# Altium PCB electromagnetic.PcbDoc
Units mm, origin at the board's own origin, x right, y up, seen from the top; angles counter-clockwise.
Board outline 29.72 x 22.23 mm, 2 copper layers (Top Layer, Bottom Layer); 26 components, 15 nets, 60 pads, 62 vias.
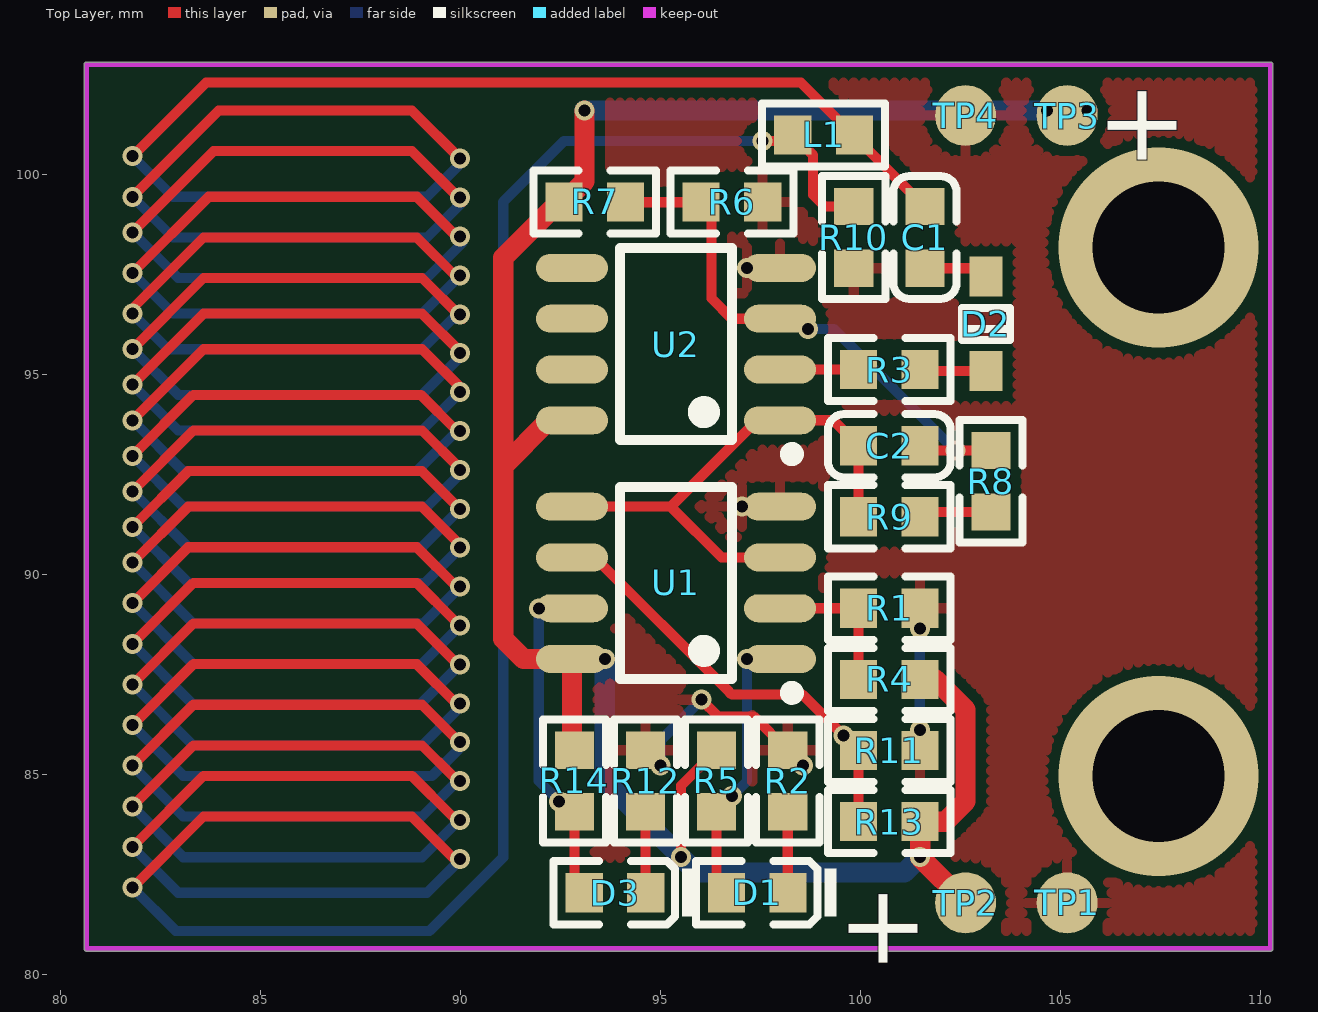
[diagram p0: Top Layer view]
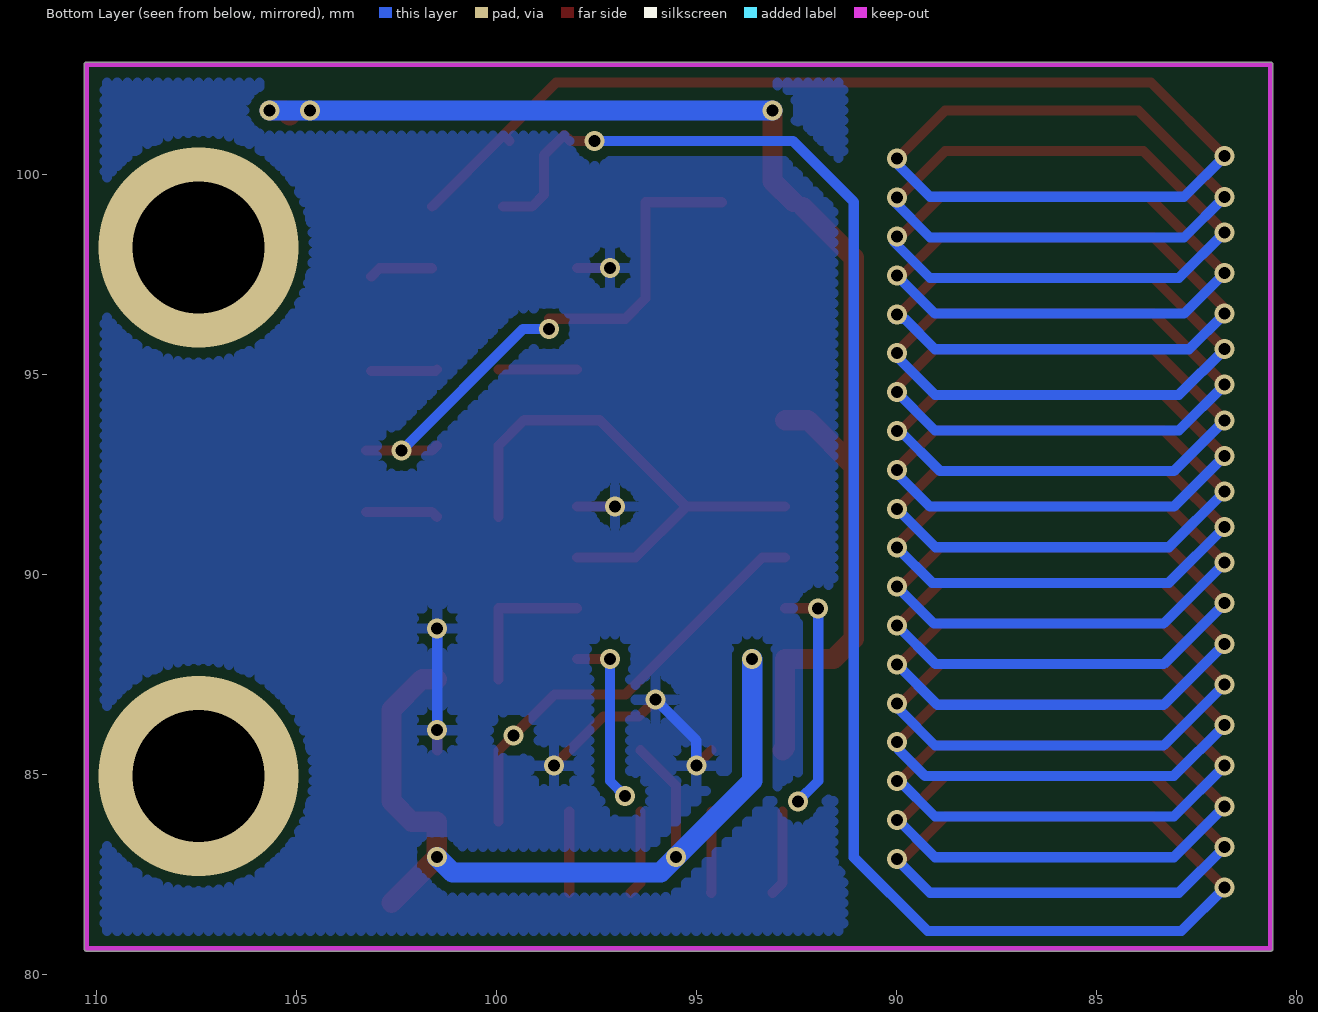
[diagram p1: Bottom Layer view, seen from below]
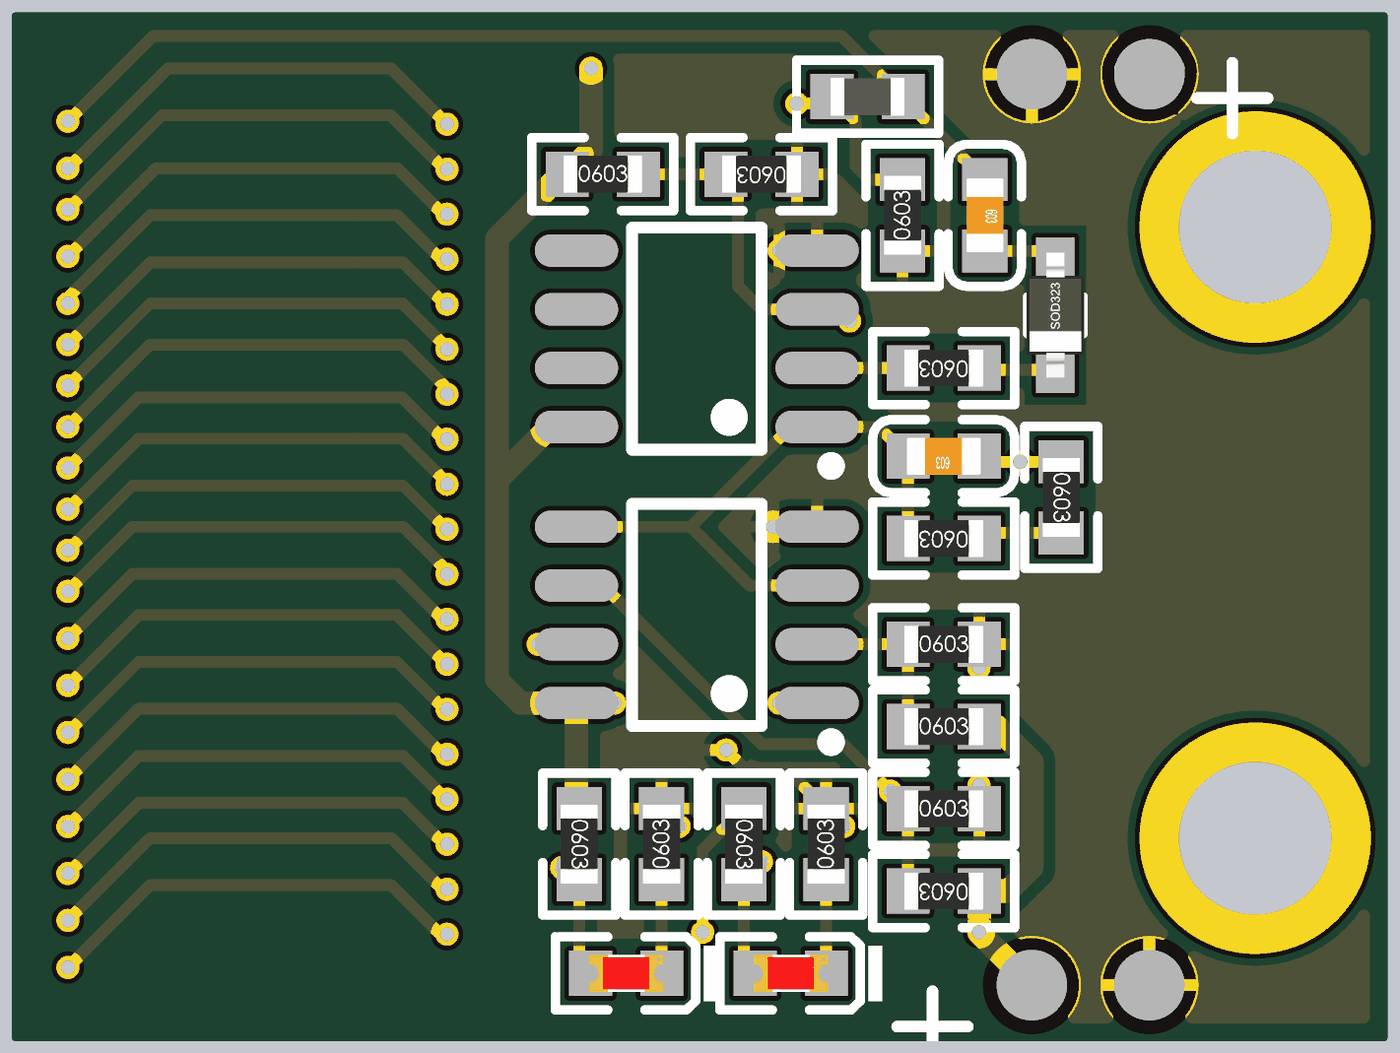
[diagram p2: 3D render of the assembled board from above, using the file's embedded part models]

## Layer stack, top to bottom
Top Solder: solder mask 0.0102, Solder Resist, Dk 3.5
Top Layer: signal copper 0.0356
Dielectric 1: dielectric 0.32, FR-4, Dk 4.8
Bottom Layer: signal copper 0.0356
Bottom Solder: solder mask 0.0102, Solder Resist, Dk 3.5

## Board outline
80.645,80.581 cw(c80.645,80.645) 80.581,80.645 80.581,102.743 cw(c80.645,102.743) 80.645,102.807 110.236,102.807 cw(c110.236,102.743) 110.3,102.743 110.3,80.645 cw(c110.236,80.645) 110.236,80.581

## Design rules (kind name [scope] priority, off if disabled: settings)
Clearance [All] p1: gap=0.254
PolygonConnect [All] p1: connectstyle=Relief reliefconductorwidth=0.254 reliefentries=4 polygonreliefangle="90 Angle" airgapwidth=0.254
RoutingVias [All] p1: holewidth=0.711 width=1.27 viastyle="Through Hole" minholewidth=0.3 minwidth=0.5 maxholewidth=0.711 maxwidth=1.27
SolderMaskExpansion [All] p1: expansion=0.102
Width [All] p1: maxlimit=0.508 minlimit=0.254 preferedwidth=0.254
30 further rules are at their usual default settings.

## Components (designator, comment, footprint, x,y, rotation, side; value= is the part's Value field where it differs from the comment)
C1 "100nF (104) 10% 50V" 0603_C 101.6,98.425 r270 top
C2 "100nF (104) 10% 50V" 0603_C 100.711,93.218 r180 top
D1 "白灯 0603" 0603_LED_S1 97.409,82.042 r180 top
D2 "1N4148WS T4" SOD-323 103.124,96.266 r90 top
D3 "红灯 0603" 0603_LED_S1 93.853,82.042 r180 top
L1 "NC" 0603_L 99.068,100.988 r180 top
R1 "10KΩ (1002) ±1%" 0603_R 100.711,89.154 r0 top
R2 "2KΩ (2001) ±1%" 0603_R 98.171,84.836 r90 top
R3 "10Ω (10R0) ±1%" 0603_R 100.711,95.123 r180 top
R4 "100KΩ (1003) ±1%" 0603_R 100.711,87.376 r0 top
R5 "47KΩ (4702) ±1%" 0603_R 96.393,84.836 r270 top
R6 "10KΩ (1002) ±1%" 0603_R 96.774,99.314 r180 top
R7 "NC" 0603_R 93.345,99.314 r0 top
R8 "1MΩ (1004) ±1%" 0603_R 103.251,92.329 r270 top
R9 "NC" 0603_R 100.711,91.44 r180 top
R10 "0Ω (0R0) ±1%" 0603_R 99.822,98.425 r90 top
R11 "100KΩ (1003) ±1%" 0603_R 100.711,85.598 r0 top
R12 "2KΩ (2001) ±1%" 0603_R 94.615,84.836 r90 top
R13 "10KΩ (1002) ±1%" 0603_R 100.711,83.82 r180 top
R14 "47KΩ (4702) ±1%" 0603_R 92.837,84.836 r270 top
TP1 "TP" TP 105.156,81.788 r0 top
TP2 "TP" TP 102.616,81.788 r0 top
TP3 "TP" TP 105.156,101.473 r0 top
TP4 "TP" TP 102.616,101.473 r0 top
U1 "LM393DR2G" SOIC-8_150mil 95.377,89.789 r90 top
U2 "LM358DR2G" SOIC-8_150mil 95.377,95.758 r90 top

## Footprints (in the part's own frame and the unit in brackets; to place one, negate y for a bottom-side part, rotate by r counter-clockwise, add the part's x,y. Pads: shape width x height; smd on the part's side, far side on the other; paste and mask are expansions set on the pad)
0603_C [mm]
  rect 0.93x0.98 smd: 1(-0.77,0) 2(0.77,0)
  silkscreen extent -1.53,-0.79 1.54,0.79, body extent -0.8,-0.4 0.8,0.4, height 0.3
0603_L [mm]
  rect 0.93x0.98 smd: 1(-0.77,0) 2(0.77,0)
  silkscreen extent -1.53,-0.79 1.54,0.79, body extent -0.82,-0.41 0.83,0.41, height 0.46
0603_LED_S1 [mm]
  rect 0.93x0.98 smd: A(0.77,0) K(-0.77,0)
  silkscreen extent -1.97,-0.79 1.54,0.79, body extent -0.8,-0.4 0.8,0.4, height 0.6
0603_R [mm]
  rect 0.93x0.98 smd: 1(-0.77,0) 2(0.77,0)
  silkscreen extent -1.53,-0.79 1.54,0.79, body extent -0.85,-0.4 0.85,0.4, height 0.56
SOD-323 [mm]
  rect 1x0.83 smd: 1(1.18,0) 2(-1.18,0)
  silkscreen extent -0.4,-0.6 0.4,0.6, body extent -1.35,-0.62 1.35,0.63, height 1.1
SOIC-8_150mil [mm]
  oval 0.7x1.8 smd: 1(-1.905,-2.6) 2(-0.635,-2.6) 3(0.635,-2.6) 4(1.905,-2.6) 5(1.905,2.6) 6(0.635,2.6) 7(-0.635,2.6) 8(-1.905,2.6)
  silkscreen extent -2.9,-3.05 2.4,1.4
TP [mil]
  round 60 smd mask+11.81: 1(0,0)

## Part data
C1 C2: library part "0603 100nF (104) 10% 50V", "贴片电容"
D1: library part "0603 白灯", "发光二极管"
D2: library part "SOD-323 1N4148WS T4", "二极管"
D3: library part "0603 红灯", "发光二极管"
L1: library part "0603 47nH", "贴片电感"
R1 R6 R13: library part "0603 10KΩ (1002) 1%", "贴片电阻"
R2 R12: library part "0603 2KΩ (2001) 1%", "贴片电阻"
R3: library part "0603 10Ω (10R0) 1%", "贴片电阻"
R4 R11: library part "0603 100KΩ (1003) 1%", "贴片电阻"
R5 R14: library part "0603 47KΩ (4702) 1%", "贴片电阻"
R7: library part "0603 1KΩ (1001) 1%", "贴片电阻"
R8 R9: library part "0603 1MΩ (1004) 1%", "贴片电阻"
R10: library part "0603 0Ω (0R0) 1%", "贴片电阻"
U1: library part LM393DR2G_[C7955], "电压比较器"
U2: library part LM358DR2G_[C7950], "通用运放"

## Via types
v1: diameter 0.5, hole 0.3, Top Layer to Bottom Layer, 60 vias
v2: diameter 5, hole 3.3, Top Layer to Bottom Layer, 2 vias

## Nets (pads, with @x,y where several pads share a name; then routed paths per layer and width w, separated by ;. In a path a pad name is that pad's centre, name@x,y a point inside that pad or via, vN(x,y) a via of type N, cw(c..) or ccw(c..) an arc to the next point about the centre after c; other vN are vias at no path point)
GND: R1.2 R2.2 R6.1 R10.1 R11.2 R12.2 TP1.1 TP4.1 U1.4 U2.4 | length 10.7
  Top Layer w0.254: R12.2 94.996,85.225 v1(94.996,85.217) ; v1(96.012,86.868) 96.428,86.452 97.317,86.452 98.163,85.606 R2.2 98.552,85.225 v1(98.552,85.217) ; v1(97.028,91.694) U1.4 ; v1(97.155,97.663) U2.4 ; v1(101.473,86.106) 101.473,85.606 R11.2
  Bottom Layer w0.254: v1(94.996,85.217) 94.996,85.852 v1(96.012,86.868) ; v1(101.473,86.106) v1(101.473,88.646)
NetC1_1: C1.1 L1.1 L1.2 R10.2 | length 409.6
  Top Layer w0.254: v1(81.788,82.169) 83.566,83.947 88.773,83.947 89.789,82.931 v1@90.043,82.931 ; v1(81.788,83.185) 83.566,84.963 88.773,84.963 89.789,83.947 v1@90.043,83.947 ; v1(81.788,84.201) 83.312,85.725 89.027,85.725 v1@89.789,84.963 ; v1(81.788,85.217) 83.312,86.741 89.027,86.741 v1@89.971,85.797 ; v1(81.788,86.233) 83.312,87.757 88.9,87.757 v1@89.929,86.728 ; v1(81.788,87.249) 83.312,88.773 88.9,88.773 v1@89.852,87.82 ; v1(81.788,88.265) 83.312,89.789 88.9,89.789 v1@89.852,88.837 ; v1(81.788,89.281) 83.185,90.678 88.9,90.678 v1@89.931,89.647 ; v1(81.788,90.297) 83.185,91.694 89.027,91.694 v1@90.016,90.705 ; v1(81.788,91.186) 83.185,92.583 89.027,92.583 v1@89.852,91.757 ; v1(81.788,92.075) 83.312,93.599 89.027,93.599 v1@89.996,92.63 ; v1(81.788,92.964) 83.312,94.488 89,94.488 v1@89.903,93.586 ; v1(81.788,93.853) 83.566,95.631 89.027,95.631 v1@90.043,94.615 ; v1(81.788,94.742) 83.566,96.52 89.027,96.52 v1@90.043,95.504 ; v1(81.788,95.631) 83.566,97.409 89.027,97.409 v1@90.043,96.393 ; v1(81.788,96.52) 81.788,96.647 83.566,98.425 88.9,98.425 v1@89.914,97.411 ; v1(81.788,97.536) 83.693,99.441 88.9,99.441 v1@89.936,98.405 ; v1(81.788,98.552) 83.82,100.584 88.773,100.584 v1@90.043,99.314 ; v1(81.788,99.441) 83.947,101.6 88.773,101.6 v1(89.98,100.393) ; v1(81.788,100.457) 83.629,102.298 98.497,102.298 L1.1@99.811,100.984 ; v1(97.536,100.838) 98.148,100.838 L1.2 98.806,100.48 98.806,99.493 99.104,99.195 R10.2 ; L1.1@99.664,100.838 L1.1@99.811,100.984 ; L1.1@99.814,100.988 L1.1@99.811,100.984 ; C1.1 L1.1@99.811,100.984
  Bottom Layer w0.254: v1(81.788,82.169) 82.867,81.09 89.218,81.09 91.059,82.931 91.059,99.314 92.583,100.838 v1(97.536,100.838) ; v1(81.788,83.185) 82.931,82.042 89.154,82.042 v1@90.043,82.931 ; v1(81.788,84.201) 83.058,82.931 89.027,82.931 v1@90.043,83.947 ; v1(81.788,85.217) 83.058,83.947 89.027,83.947 v1@89.946,84.866 ; v1(81.788,86.233) 83.058,84.963 89.281,84.963 89.924,85.606 v1@89.924,85.86 ; v1(81.788,87.249) 83.312,85.725 89.027,85.725 89.903,86.601 v1@89.903,86.855 ; v1(81.788,88.265) 83.312,86.741 88.97,86.741 v1(89.98,87.75) ; v1(81.788,89.281) 83.312,87.757 89.014,87.757 v1(89.98,88.723) ; v1(81.788,90.297) 83.312,88.773 89.057,88.773 v1(89.98,89.695) ; v1(81.788,91.186) 83.185,89.789 89.101,89.789 v1(89.98,90.668) ; v1(81.788,92.075) 83.185,90.678 89.017,90.678 v1(89.98,91.641) ; v1(81.788,92.964) 83.058,91.694 89.154,91.694 v1@90.043,92.583 ; v1(81.788,93.853) 83.058,92.583 88.9,92.583 89.903,93.586 v1(89.98,93.586) ; v1(81.788,94.742) 82.931,93.599 89.027,93.599 v1@90.043,94.615 ; v1(81.788,95.631) 82.931,94.488 89.027,94.488 v1@90.043,95.504 ; v1(81.788,96.52) 82.677,95.631 89.027,95.631 89.789,96.393 v1@90.043,96.393 ; v1(81.788,97.536) 82.804,96.52 89.027,96.52 v1@89.981,97.474 ; v1(81.788,98.552) 82.931,97.409 89.154,97.409 v1@90.043,98.298 ; v1(81.788,99.441) 82.804,98.425 89.154,98.425 v1@90.043,99.314 ; v1(81.788,100.457) 82.804,99.441 89.154,99.441 89.98,100.266 v1(89.98,100.393)
  other v1: 89.98,82.888 89.98,83.86 89.98,84.833 89.98,85.805 89.98,86.778 89.98,92.613 89.98,94.558 89.98,95.531 89.98,96.503 89.98,97.476 89.98,98.448 89.98,99.421
NetC1_2: C1.2 D2.1 | length 1.6
  Top Layer w0.254: C1.2 102.915,97.655 D2.1
NetC2_1: C2.1 R6.2 R7.2 R8.1 U2.3 | length 13.9
  Top Layer w0.254: R7.2@94.361,99.306 96.266,99.306 96.266,96.901 96.774,96.393 U2.3 98.679,96.393 v1(98.679,96.139) ; C2.1 101.6,93.099 v1(102.362,93.099) R8.1
  Bottom Layer w0.254: v1(98.679,96.139) 99.322,96.139 v1(102.362,93.099)
NetC2_2: C2.2 R9.2 U1.3 U1.5 U2.1 | length 13.4
  Top Layer w0.254: U1.5 95.25,91.694 ; U1.3 96.52,90.424 95.25,91.694 ; R9.2 C2.2 99.306,93.853 U2.1 97.409,93.853 95.25,91.694
NetD1_A: D1.A R5.2 U1.1 | length 6.5
  Top Layer w0.254: R5.2 96.393,82.288 D1.A ; v1(97.155,87.884) U1.1
  Bottom Layer w0.254: v1(96.774,84.455) 97.155,84.836 v1(97.155,87.884)
NetD1_K: D1.K R2.1 | length 2
  Top Layer w0.254: R2.1 98.171,82.05 D1.K
NetD2_2: D2.2 R3.1 | length 1.7
  Top Layer w0.254: R3.1 101.518,95.086 D2.2
NetD3_A: D3.A R14.2 U1.7 | length 8
  Top Layer w0.254: v1(91.948,89.154) U1.7 ; R14.2 92.837,82.288 D3.A
  Bottom Layer w0.254: v1(91.948,89.154) 91.948,84.836 v1(92.456,84.328)
NetD3_K: D3.K R12.1 | length 2
  Top Layer w0.254: R12.1 94.615,82.05 D3.K
NetR1_1: R1.1 R4.1 U1.2 | length 3.7
  Top Layer w0.254: U1.2 R1.1 R4.1
NetR3_2: R3.2 U2.2 | length 2
  Top Layer w0.254: U2.2 R3.2
NetR8_2: R8.2 R9.1 | length 1.8
  Top Layer w0.254: R9.1 101.6,91.559 R8.2
NetR11_1: R11.1 R13.2 U1.6 | length 10.9
  Top Layer w0.254: U1.6 93.348,90.424 96.643,87.129 96.643,87.126 96.774,86.995 98.544,86.995 v1(99.56,85.979) R11.1 R13.2
VCC: R4.2 R5.1 R7.1 R13.1 R14.1 TP2.1 TP3.1 U1.8 U2.8 | length 56
  Top Layer w0.254: v1(95.504,82.931) 95.504,84.717 R5.1
  Top Layer w0.508: R7.1@92.329,99.187 91.059,97.917 91.059,92.71 ; R7.1 93.091,99.83 v1(93.091,101.6) ; U2.8 92.202,93.853 91.059,92.71 ; R14.1 92.777,85.666 U1.8 91.567,87.884 91.059,88.392 91.059,92.71 ; R4.2 101.854,87.376 102.616,86.614 102.616,84.328 102.108,83.82 R13.1 101.481,82.923 TP2.1 ; TP3.1 105.283,101.6 v1(105.664,101.6)
  Bottom Layer w0.508: v1(93.091,101.6) v1(104.648,101.6) v1(105.664,101.6) ; v1(93.599,87.884) 93.599,84.836 v1(95.504,82.931) 95.885,82.55 101.092,82.55 v1(101.473,82.931)
pads on no net: U2.5 U2.6 U2.7
copper on no net:
  other v2: 107.442,84.963 107.442,98.171

## Polygon pours and split planes (outlines as drawn)
GND on Top Layer "GND_L01_P000" (hatched 90Degree grid 0 track 0.254, remove dead copper, pour order 0): 110.236,80.654 110.236,102.752 80.645,102.752 80.645,80.654
GND on Bottom Layer "GND_L02_P002" (hatched 90Degree grid 0 track 0.254, remove dead copper, pour order 2): 110.236,80.645 80.645,80.645 80.645,102.743 110.236,102.743

## Keep-outs
Keep-Out Layer:
  lines w0.127: 80.645,80.645 80.645,102.743 110.236,102.743 110.236,80.645 80.645,80.645

## Other copper
Top Layer:
  pour cut-out: 80.645,102.743 80.645,80.645 91.313,80.645 91.313,102.743
Bottom Layer:
  pour cut-out: 91.313,80.645 91.313,102.743 80.645,102.743 80.645,80.645

## Silkscreen, mask and mechanical layers (free items; w line width, h text height)
Top Overlay:
  text "+" at 106.172,102.362 h2 r270
  text "+" at 99.695,82.296 h2 r270